# Altium PCB STM32F207VE_Board.PcbDoc
Units mil, origin at the board's own origin, x right, y up, seen from the top; angles counter-clockwise.
Board outline 6000 x 4000 mil, 2 copper layers (Top Layer, Bottom Layer); 225 components, 188 nets, 846 pads, 0 vias.
Unrouted connection lines stored in the file: 517.
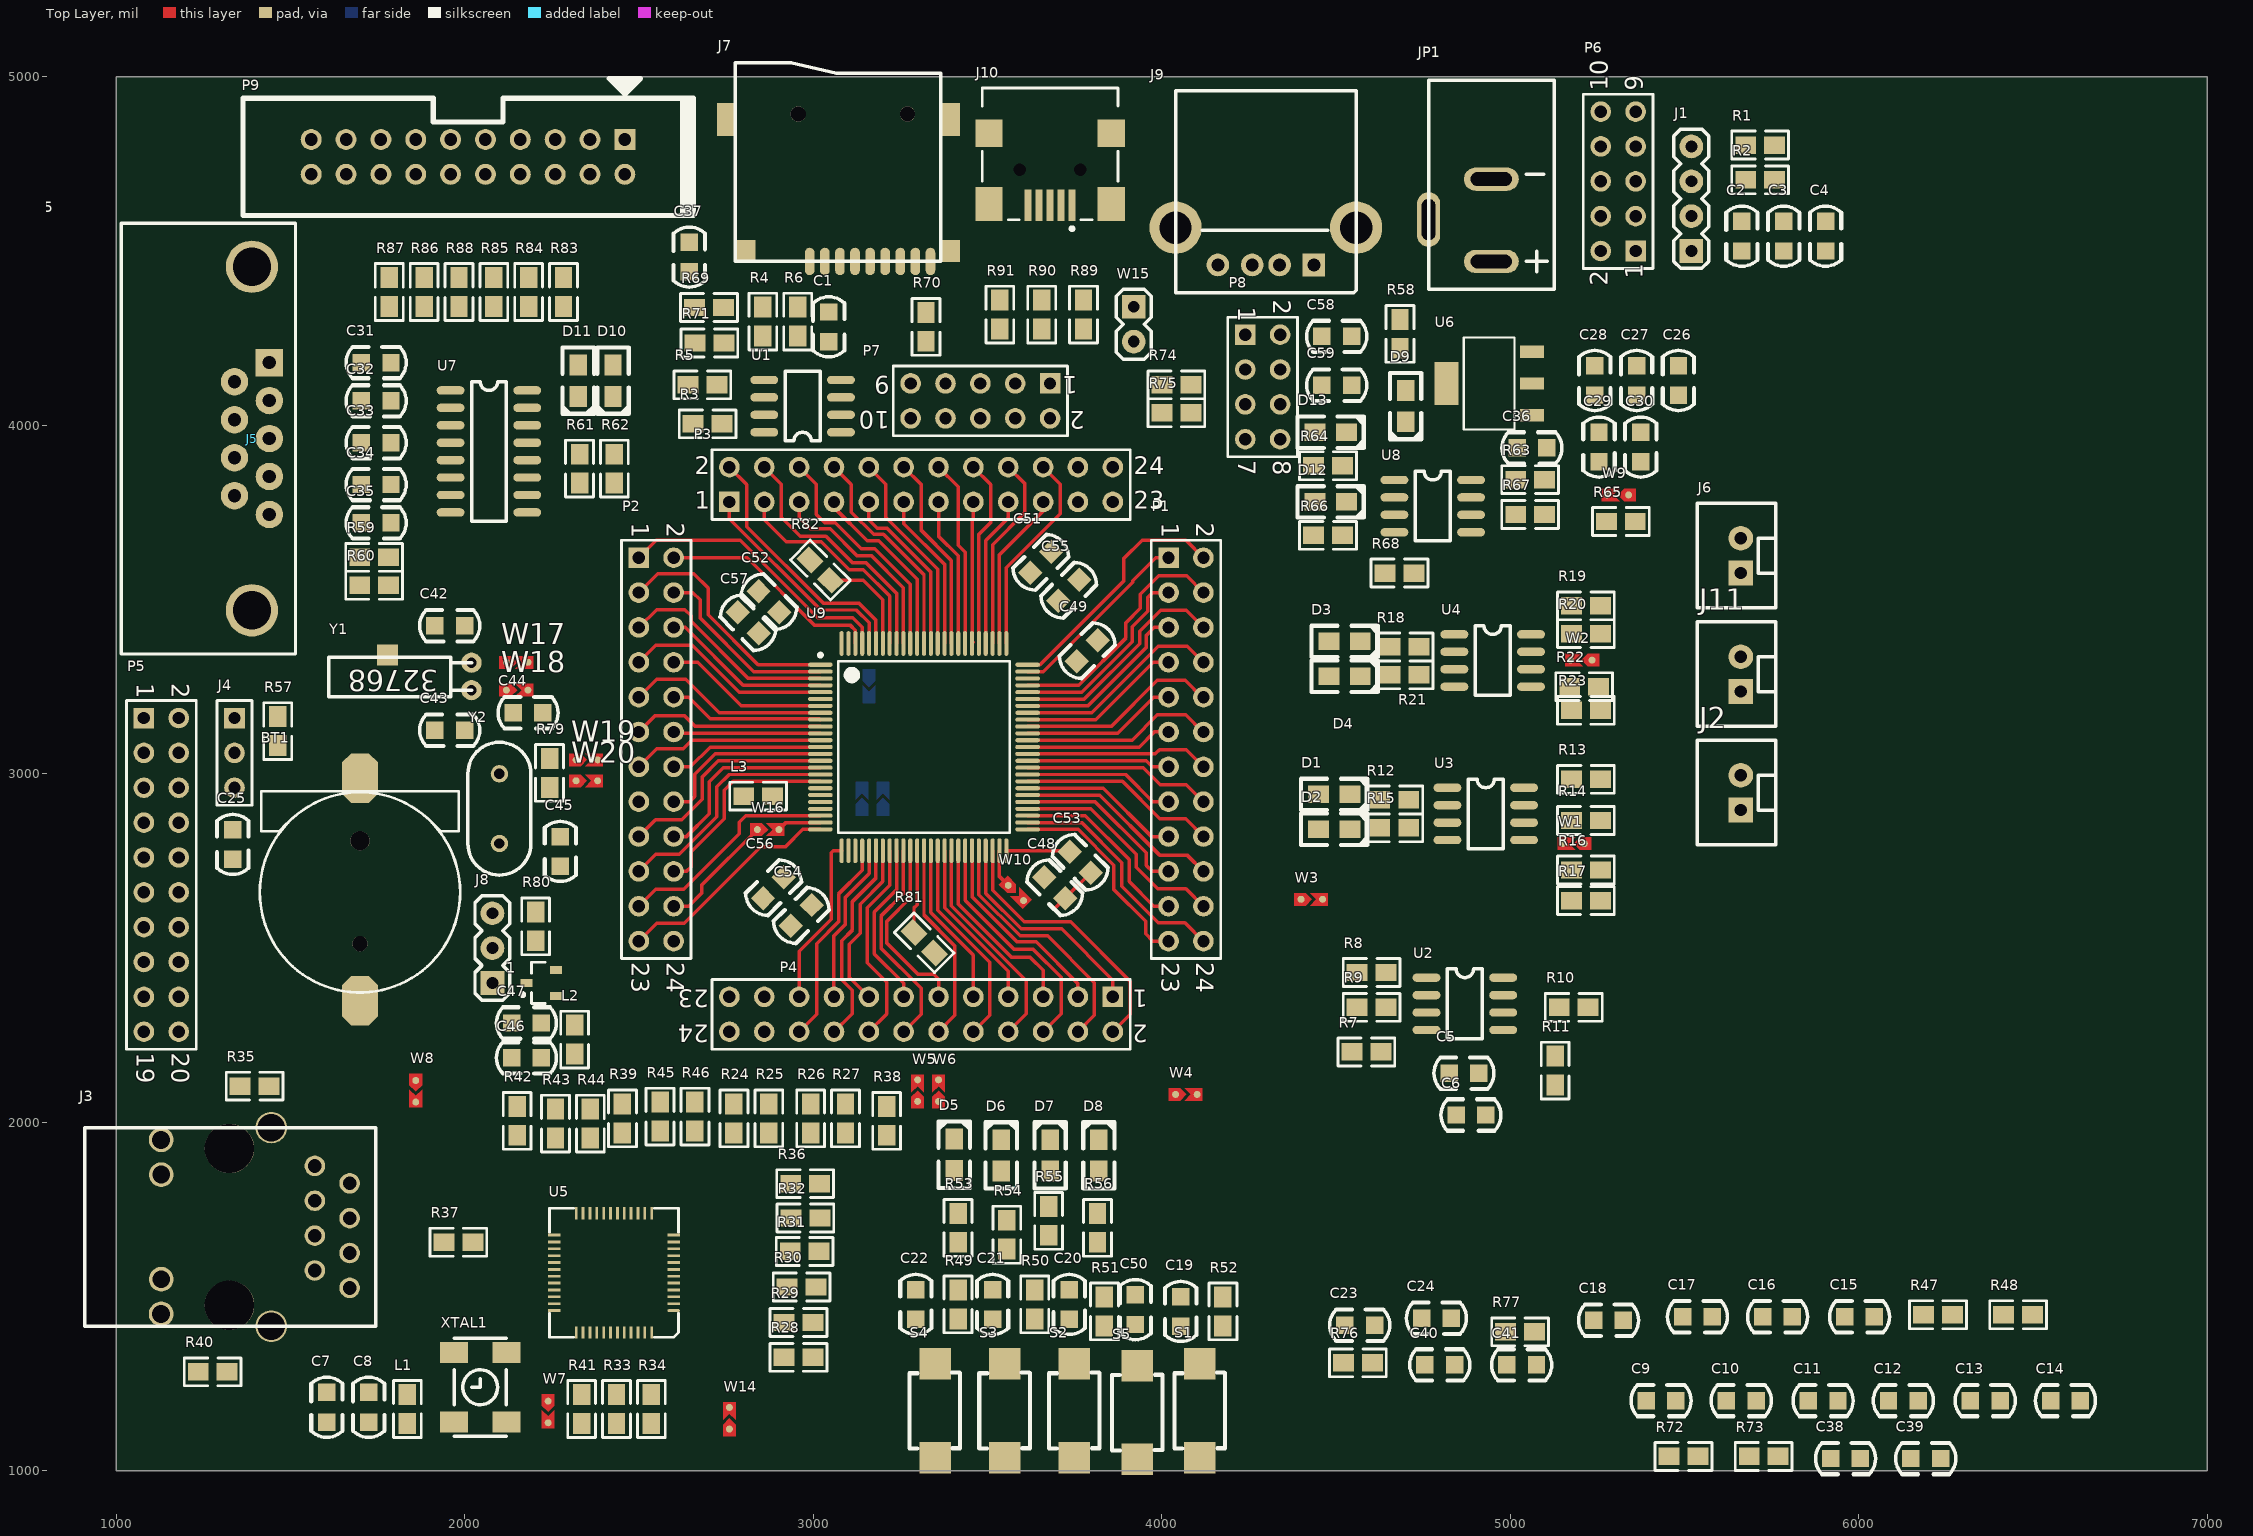
[diagram p0: Top Layer view]
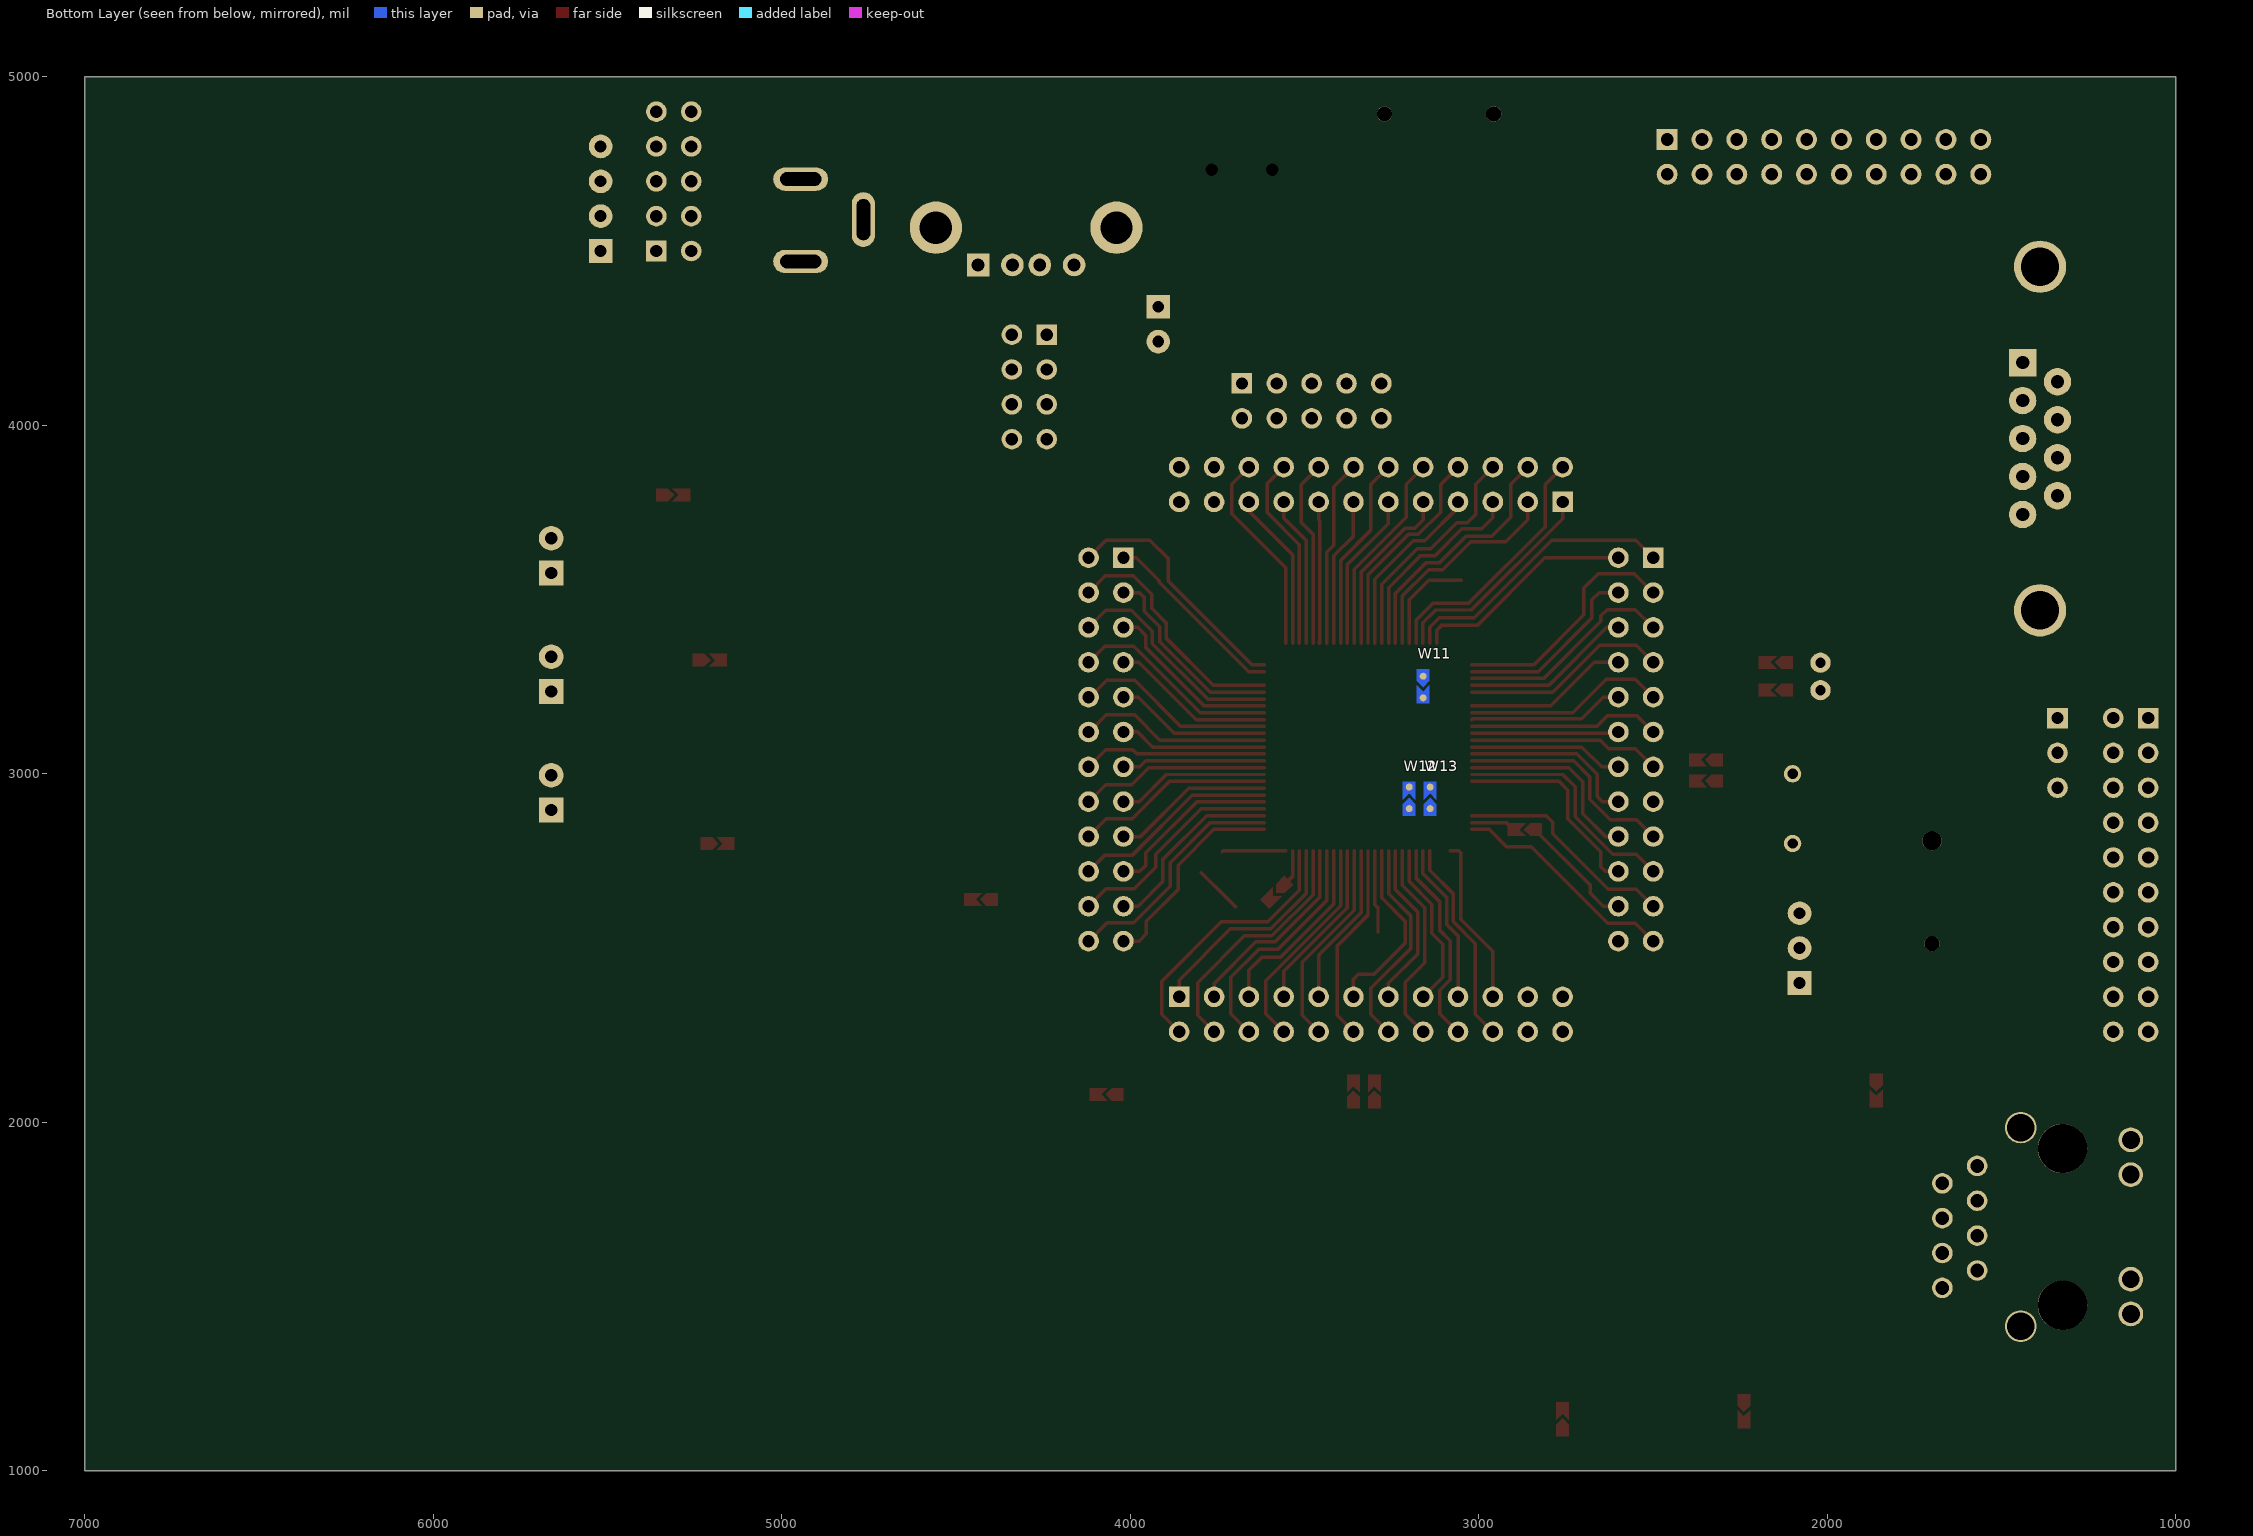
[diagram p1: Bottom Layer view, seen from below]

## Layer stack, top to bottom
Top Layer: signal copper 1.4
Dielectric: dielectric 12.6, FR-4, Dk 4.8
Bottom Layer: signal copper 1.4

## Board outline
1000,1000 7000,1000 7000,5000 1000,5000

## Design rules (kind name [scope] priority, off if disabled: settings)
Clearance [All] p1: gap=3
PolygonConnect [All] p1: connectstyle=Relief reliefconductorwidth=10 reliefentries=4 polygonreliefangle="90 Angle"
RoutingVias [All] p1: holewidth=28 width=50 viastyle="Through Hole" minholewidth=28 minwidth=50 maxholewidth=28 maxwidth=50
SilkscreenOverComponentPads [All] p1: minsilkscreentomaskgap=10
SolderMaskExpansion [All] p1: expansion=4
Width GND [All] p1: maxlimit=100 minlimit=6 preferedwidth=30
Width SIGNAL [All] p2: maxlimit=10 minlimit=10 preferedwidth=10
Width VCC [All] p3: maxlimit=100 minlimit=6 preferedwidth=30
27 further rules are at their usual default settings.

## Classes and differential pairs
component class USB: C58 C59 J9 J10 R89 R90 R91 W15
component class STM32F107_207: 1 BT1 C42 C43 C44 C45 C46 C47 C48 C49 C50 C51 C52 C53 C54 C55 C56 C57 J8 L2 L3 P9 R79 R80 R81 R82 R83 R84 R85 R86 R87 R88 S5 U9 W10 W11 W12 W13 W14 W16 W17 W18 W19 W20 Y1 Y2
component class SD_NRF_RC522_W5500: C37 C38 C39 C40 C41 J7 P7 P8 R69 R70 R71 R72 R73 R74 R75 R76 R77
component class RS232_485: C31 C32 C33 C34 C35 C36 D10 D11 D12 D13 J5 J6 R59 R60 R61 R62 R63 R64 R65 R66 R67 R68 U7 U8 W9
component class power: C26 C27 C28 C29 C30 D9 JP1 P6 R58 U6
component class OV2640: C23 C24 C25 J4 P5 R57
component class led: C19 C20 C21 C22 D5 D6 D7 D8 R49 R50 R51 R52 R53 R54 R55 R56 S1 S2 S3 S4
component class IO: P1 P2 P3 P4
component class Ethernet: C7 C8 C9 C10 C11 C12 C13 C14 C15 C16 C17 C18 J3 L1 R24 R25 R26 R27 R28 R29 R30 R31 R32 R33 R34 R35 R36 R37 R38 R39 R40 R41 R42 R43 R44 R45 R46 R47 R48 U5 W3 W4 W5 W6 W7 W8 XTAL1
component class CAN: D1 D2 D3 D4 J2 J11 J? R12 R13 R14 R15 R16 R17 R18 R19 R20 R21 R22 R23 U3 U4 W1 W2
component class at24c02_SST25FV080B_OLED: C1 C2 C3 C4 C5 C6 J1 R1 R2 R3 R4 R5 R6 R7 R8 R9 R10 R11 U1 U2

## Components (designator, comment, footprint, x,y, rotation, side; value= is the part's Value field where it differs from the comment)
1 "TL431" SOT23 2220,2400 r180 top
BT1 "Battery" CR1220 1700,2660 r270 top
C1 "0.1uf" 0805C 3040,4240 r90 top
C2 "0.1uf" 0805C 5660,4500 r90 top
C3 "0.1uf" 0805C 5780,4500 r90 top
C4 "10uf" 0805C 5900,4500 r90 top
C5 "0.1uf" 0805C 4825,2146 r0 top
C6 "0.1uf" 0805C 4845,2026 r0 top
C7 "10uf" 0805C 1600,1140 r90 top
C8 "0.1uf" 0805C 1720,1140 r90 top
C9 "10uf" 0805C 5390.63,1206.6 r0 top
C10 "0.1uf" 0805C 5620.63,1206.6 r0 top
C11 "0.1uf" 0805C 5855.63,1206.6 r0 top
C12 "0.1uf" 0805C 6085.63,1206.6 r0 top
C13 "0.1uf" 0805C 6320.63,1206.6 r0 top
C14 "0.1uf" 0805C 6550.63,1206.6 r0 top
C15 "10uf" 0805C 5960,1447 r0 top
C16 "0.1uf" 0805C 5725,1447 r0 top
C17 "0.1uf" 0805C 5495,1447 r0 top
C18 "0.1uf" 0805C 5240,1437 r0 top
C19 "0.1uf" 0805C 4060,1500 r270 top
C20 "0.1uf" 0805C 3740,1520 r270 top
C21 "0.1uf" 0805C 3520,1520 r270 top
C22 "0.1uf" 0805C 3300,1520 r270 top
C23 "1uf" 0805C 4526,1423 r0 top
C24 "0.1uf" 0805C 4746,1443 r0 top
C25 "0.1uf" 0805C 1340,2840 r270 top
C26 "10uf" 0805C 5478,4086 r90 top
C27 "0.1uf" 0805C 5358,4086 r90 top
C28 "10uf" 0805C 5238,4086 r90 top
C29 "0.1uf" 0805C 5260,3980 r270 top
C30 "10uf" 0805C 5380,3980 r270 top
C31 "0.1uf" 0805C 1704,4185 r0 top
C32 "0.1uf" 0805C 1789,4065 r180 top
C33 "0.1uf" 0805C 1789,3945 r180 top
C34 "0.1uf" 0805C 1789,3825 r180 top
C35 "0.1uf" 0805C 1704,3725 r0 top
C36 "0.1uf" 0805C 5020,3940 r0 top
C37 "0.1uf" 0805C 2640,4440 r90 top
C38 "10uf" 0805C 5920,1040.4 r0 top
C39 "0.1uf" 0805C 6150,1040.4 r0 top
C40 "10uf" 0805C 4755.63,1309 r0 top
C41 "0.1uf" 0805C 4990.63,1309 r0 top
C42 "18pf" 0805C 2000,3420 r180 top
C43 "18pf" 0805C 2000,3120 r180 top
C44 "18pf" 0805C 2140,3180 r0 top
C45 "18pf" 0805C 2280,2820 r270 top
C46 "10uf" 0805C 2220,2180 r180 top
C47 "0.1uf" 0805C 2220,2280 r180 top
C48 "0.1uf" 0805C 3720,2640 r135 top
C49 "0.1uf" 0805C 3820,3380 r225 top
C50 "0.1uf" 0805C 3920,1420 r90 top
C51 "10uf" 0805C 3620,3580 r45 top
C52 "0.1uf" 0805C 2900,3460 r135 top
C53 "0.1uf" 0805C 3740,2780 r315 top
C54 "0.1uf" 0805C 3000,2620 r225 top
C55 "0.1uf" 0805C 3700,3500 r45 top
C56 "0.1uf" 0805C 2920,2700 r225 top
C57 "0.1uf" 0805C 2840,3400 r135 top
C58 "1uf" 0805C 4460,4260 r0 top
C59 "0.1uf" 0805C 4460,4120 r0 top
D1 "LED" 0805-LED-RED 4450,2941 r0 top
D2 "LED" 0805-LED-RED 4450,2841 r0 top
D3 "LED" 0805-LED-RED 4480,3380 r0 top
D4 "LED" 0805-LED-RED 4480,3280 r0 top
D5 "LED" 0805-LED-RED 3405,1862 r90 top
D6 "LED" 0805-LED-RED 3540,1860 r90 top
D7 "LED" 0805-LED-RED 3680,1860 r90 top
D8 "LED" 0805-LED-RED 3820,1860 r90 top
D9 "LED" 0805-LED-RED 4700,4100 r270 top
D10 "LED" 0805-LED-RED 2426,4173 r270 top
D11 "LED" 0805-LED-RED 2326,4173 r270 top
D12 "LED" 0805-LED-RED 4440,3780 r0 top
D13 "LED" 0805-LED-RED 4440,3980 r0 top
J1 "CON4" SIP4-2.54MM 5520,4500 r90 top
J2 "CON2" XH2.54-2P 5662,2896 r90 top
J3 "HR911105A" RJ45-HR911105A 1400,1700 r90 top
J4 "CON3" HDR1X3-2.54MM 1340,3160 r270 top
J5 "DB9" DB9RA/M 1440,4180 r90 top
J6 "CON2" XH2.54-2P 5662,3576 r90 top
J7 "SDCard" TFP09-2-12B 3077,4480 r180 top
J8 "CON3" sip3-2.54mm 2080,2400 r90 top
J9 "USB" USB-A 4437,4460 r0 top
J10 "USB-MICRO-B" USB-MINI-B 3680,4940 r90 top
J11 "CON2" XH2.54-2P 5662,3236 r90 top
JP1 "DC_JACK" DC3 4920,4620 r270 top
L1 "4.7uH" 0805_SmallR 1840,1180 r270 top
L2 "100uH cz" 0805_SmallR 2320,2240 r270 top
L3 "100uH cz" 0805_SmallR 2840,2940 r0 top
P1 "CON12X2" HDR2X12-2.54MM 4020,3620 r270 top locked
P2 "CON12X2" HDR2X12-2.54MM 2500,3620 r270 top locked
P3 "CON12X2" HDR2X12-2.54MM 2760,3780 r0 top locked
P4 "CON12X2" HDR2X12-2.54MM 3860,2360 r180 top locked
P5 "OV2640" HDR2X10-2.54MM 1080,3160 r270 top
P6 "CON5X2" HDR2X5-2.54MM 5360,4500 r90 top
P7 "SDIO" HDR2X5-2.54MM 3680,4120 r180 top
P8 "NRF24L01/RC522/W5500" HDR2X4-2.54MM 4240,4260 r270 top
P9 "jtag" IDE20-2.54MM 2460,4820 r180 top
R1 "100R" 0805_small 5720,4800 r180 top
R2 "100R" 0805_small 5720,4700 r180 top
R3 "100R" 0805_small 2700,4000 r180 top
R4 "4.7k" 0805_small 2860,4300 r270 top
R5 "100R" 0805_small 2680,4120 r0 top
R6 "4.7k" 0805_small 2960,4300 r270 top
R7 "4.7k" 0805_small 4585,2206 r0 top
R8 "33R" 0805_small 4605,2426 r180 top
R9 "33R" 0805_small 4605,2326 r180 top
R10 "33R" 0805_small 5185,2326 r180 top
R11 "33R" 0805_small 5125,2146 r90 top
R12 "1k" 0805_small 4670,2921 r180 top
R13 "10k" 0805_small 5220,2980 r180 top
R14 "10R" 0805_small 5215,2870.01 r0 top
R15 "1k" 0805_small 4670,2841 r180 top
R16 "120R" 0805_small 5220,2720 r180 top
R17 "10R" 0805_small 5215,2640 r0 top
R18 "1k" 0805_small 4700,3360 r180 top
R19 "10k" 0805_small 5215,3486 r0 top
R20 "10R" 0805_small 5215,3406 r0 top
R21 "1k" 0805_small 4700,3280 r180 top
R22 "120R" 0805_small 5215,3246 r180 top
R23 "10R" 0805_small 5215,3186 r0 top
R24 "49.9R" 0805_small 2777,2014 r270 top
R25 "49.9R" 0805_small 2877,2014 r270 top
R26 "49.9R" 0805_small 2997,2014 r270 top
R27 "49.9R" 0805_small 3097,2014 r270 top
R28 "33r" 0805_small 2955.62,1329.61 r0 top
R29 "33r" 0805_small 2955.62,1429.61 r0 top
R30 "33r" 0805_small 2964.6,1531.6 r0 top
R31 "2.2k" 0805_small 2973.57,1633.59 r0 top
R32 "2.2k" 0805_small 2975.62,1729.61 r0 top
R33 "33r" 0805_small 2440,1180 r270 top
R34 "33r" 0805_small 2540,1180 r270 top
R35 "470R" 0805_small 1400,2100 r180 top
R36 "2.2k" 0805_small 2980,1820 r180 top
R37 "1.5k" 0805_small 1980,1660 r0 top
R38 "2.2k" 0805_small 3207,2002 r90 top
R39 "2.2k" 0805_small 2457,2014 r270 top
R40 "470R" 0805_small 1280,1280 r180 top
R41 "33r" 0805_small 2340,1180 r270 top
R42 "2.2k" 0805_small 2147,2002 r90 top
R43 "2.2k" 0805_small 2257,1994 r90 top
R44 "2.2k" 0805_small 2357,1994 r90 top
R45 "2.2k" 0805_small 2557,2014 r90 top
R46 "2.2k" 0805_small 2657,2014 r90 top
R47 "?" 0805_small 6225,1452 r0 top
R48 "4.87k" 0805_small 6455,1452 r0 top
R49 "1k" 0805_small 3420,1480 r270 top
R50 "1k" 0805_small 3640,1480 r270 top
R51 "1k" 0805_small 3840,1460 r270 top
R52 "1k" 0805_small 4180,1460 r270 top
R53 "1k" 0805_small 3420,1700 r270 top
R54 "1k" 0805_small 3560,1680 r270 top
R55 "1k" 0805_small 3680,1720 r270 top
R56 "1k" 0805_small 3820,1700 r270 top
R57 "33R" 0805_small 1460,3120 r90 top
R58 "1k" 0805_small 4680,4260 r90 top
R59 "100R" 0805_small 1738.36,3625 r0 top
R60 "100R" 0805_small 1738.36,3545 r0 top
R61 "1k" 0805_small 2326,3873 r90 top
R62 "1k" 0805_small 2426,3873 r90 top
R63 "4.7k" 0805_small 5060,3840 r180 top
R64 "1k" 0805_small 4480,3880 r180 top
R65 "120R" 0805_small 5320,3720 r180 top
R66 "1k" 0805_small 4480,3680 r180 top
R67 "4.7k" 0805_small 5060,3740 r180 top
R68 "10k" 0805_small 4680,3580 r0 top
R69 "10k" 0805_small 2698.98,4341.99 r0 top
R70 "10k" 0805_small 3320,4280 r90 top
R71 "10k" 0805_small 2700,4240 r0 top
R72 "4.7K" 0805_small 5495,1045.4 r0 top
R73 "4.7K" 0805_small 5725,1045.4 r0 top
R74 "33R" 0805_small 4040,4120 r0 top
R75 "33R" 0805_small 4040,4040 r0 top
R76 "33R" 0805_small 4560.63,1314 r0 top
R77 "33R" 0805_small 5026,1403 r0 top
R79 "1M" 0805_small 2240,3000 r90 top
R80 "150R" 0805_small 2200,2560 r90 top
R81 "10k" 0805_small 3320,2520 r315 top
R82 "10k" 0805_small 3020,3580 r135 top
R83 "10k" 0805_small 2280,4380 r90 top
R84 "10k" 0805_small 2180,4380 r90 top
R85 "10k" 0805_small 2080,4380 r90 top
R86 "10k" 0805_small 1880,4380 r90 top
R87 "10k" 0805_small 1780,4380 r90 top
R88 "10k" 0805_small 1980,4380 r90 top
R89 "33R" 0805_small 3780,4320 r270 top
R90 "33R" 0805_small 3660,4320 r270 top
R91 "33R" 0805_small 3540,4320 r270 top
S1 "reset" k_TS_021 4160,1240 r270 top
S2 "reset" k_TS_021 3800,1240 r270 top
S3 "reset" k_TS_021 3600,1240 r270 top
S4 "reset" k_TS_021 3400,1240 r270 top
S5 "reset" k_TS_021 3880,1100 r90 top
U1 "24CL256" SO-8 3080,3980 r180 top
U2 "SST25FV080B" SO-8 4760,2415 r0 top
U3 "TJA1050" SO-8 4820,2960 r0 top
U4 "TJA1050" SO-8 4840,3400 r0 top
U5 "DP83848IVV" LQFP-48 2600,1460 r180 top
U6 "SPX1117-3.3" SOT-223(DCY4) 4940,4120 r90 top
U7 "SP3232E" SO-16 1960,4100 r0 top
U8 "MAX3485" SO-8 4668,3843 r0 top
U9 "STM32F207VET6" LQFP100_N 3318.26,3076.74 r0 top locked
W1 "Jumper" 0603_jump_Pad 5213,2800 r180 top
W2 "Jumper" 0603_jump_Pad 5235,3326 r180 top
W3 "" 0603_jump_Pad 4400,2640 r0 top
W4 "" 0603_jump_Pad 4040,2080 r0 top
W5 "" 0603_jump_Pad 3300,2060 r90 top
W6 "" 0603_jump_Pad 3360,2060 r90 top
W7 "" 0603_jump_Pad 2240,1200 r270 top
W8 "" 0603_jump_Pad 1860,2120 r270 top
W9 "Jumper" 0603_jump_Pad 5340,3800 r180 top
W10 "jmp for 107" 0603_jump_Pad 3560,2680 r315 top
W11 "jmp" 0603_jump_Pad 3160,3280 r270 bottom
W12 "jmp for 207/407" 0603_jump_Pad 3200,2900 r90 bottom
W13 "jmp for 107" 0603_jump_Pad 3140,2900 r90 bottom
W14 "jmp" 0603_jump_Pad 2760,1120 r90 top
W15 "VBUS" sip2-2.54mm 3920,4340 r270 top
W16 "jmp" 0603_jump_Pad 2840,2840 r0 top
W17 "jmp" 0603_jump_Pad 2120,3320 r0 top
W18 "jmp" 0603_jump_Pad 2120,3240 r0 top
W19 "jmp" 0603_jump_Pad 2320,3040 r0 top
W20 "jmp" 0603_jump_Pad 2320,2980 r0 top
XTAL1 "有源晶体" 贴片有源晶体 2120,1140 r90 top
Y1 "25MHz" "CRY 32768-1" 2020,3240 r180 top
Y2 "25MHz" CRYSTAL 2100,2900 r90 top
